# Altium PCB Mirny.PcbDoc (part 4 of 8) (continued)
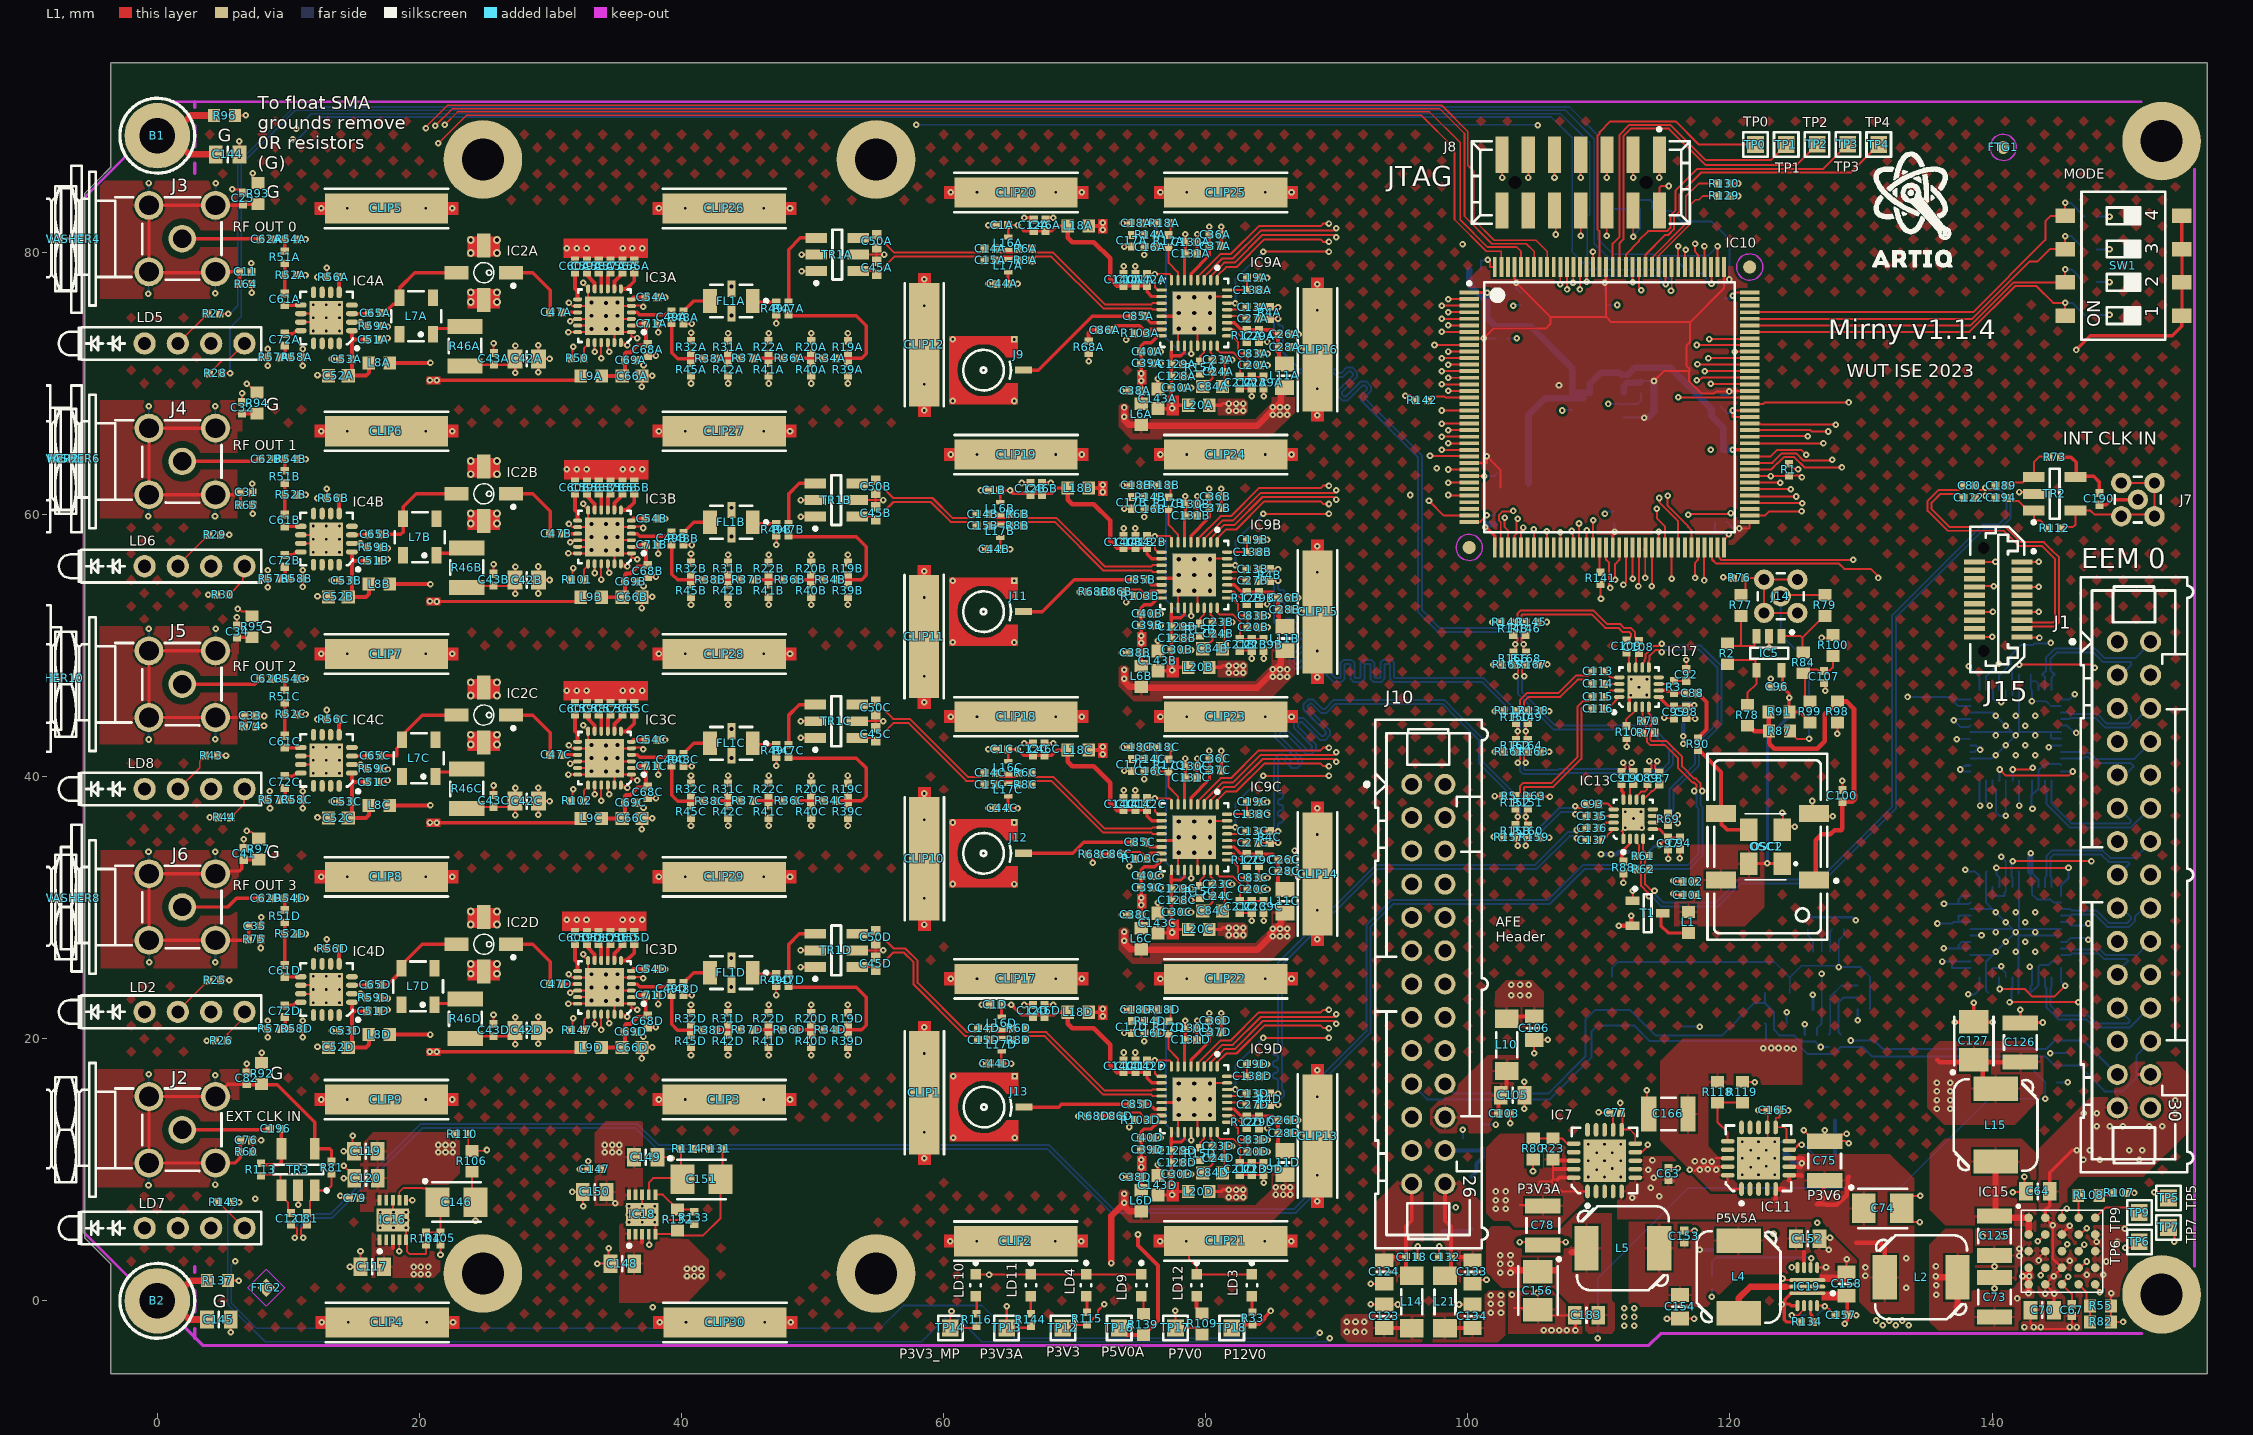
[diagram p0: L1 view]
## Nets (pads, with @x,y where several pads share a name; then routed paths per layer and width w, separated by ;. In a path a pad name is that pad's centre, name@x,y a point inside that pad or via, vN(x,y) a via of type N, cw(c..) or ccw(c..) an arc to the next point about the centre after c; other vN are vias at no path point) (continued)
C78.1@105.723,4.249 105.958,4.484 v1(107.475,4.484) ; v1(104.317,14.662) C105.1@104.317,15.689 v1(104.317,16.715) ; v1(104.611,85.711) J8.11@104.611,87.449 ; C156.2@104.744,-1.112 C156.2@105.294,-0.562 ; v1(104.972,9.897) 104.972,10.765 R80.1@104.994,10.786 ; v1(105.059,18.884) C106.1@105.059,19.91 v1(106.085,19.91) ; R145.1@105.35,51.814 v1@105.992,51.814 ; R167.1@105.413,48.576 v1@106.055,48.576 ; R159.1@105.54,35.368 v1@106.182,35.368 ; R163.1@105.54,41.908 v1@106.182,41.908 ; R138.1@105.54,45.02 v1@106.182,45.02 ; R63.1@105.604,38.479 v1@106.246,38.479 ; v1(106.611,85.711) J8.9@106.611,87.449 ; IC10.47@107.054,57.484 v1(107.054,58.635) ; C183.1@108.144,-1.112 105.844,-1.112 C156.2@105.294,-0.562 ; v1(108.611,85.711) J8.7@108.611,87.449 ; v1(109.973,14.397) 110.033,14.336 C77.1@110.794,14.336 111.081,14.05 IC7.12@111.081,13.045 ; R141.1@110.127,54.662 110.127,53.602 v1(110.16,53.569) ; v1(110.611,85.711) J8.5@110.611,87.449 ; v1(111.404,75.984) v1@111.454,75.934 ; IC13.1@111.872,35.244 111.844,35.272 111.844,35.748 111.735,35.857 IC13.17@112.622,36.744 ; IC17.17@112.43,46.197 v1(113.059,46.825) ; IC17.17@112.468,47.416 v1(113.059,46.825) ; IC10.123@112.554,78.884 112.572,78.866 112.572,77.75 v1(112.59,77.733) ; v1(112.611,85.711) J8.3@112.611,87.449 ; v1(113.655,46.229) v1(113.059,46.825) ; C166.1@113.664,14.397 113.664,15.808 v1(113.664,16.08) ; v1@113.664,16.046 v1@113.803,15.906 ; v1(113.668,47.435) v1(113.059,46.825) ; IC10.62@114.554,57.484 v1(114.554,58.671) ; v1(114.611,85.711) J8.1@114.611,87.449 ; v1(114.986,44.488) 115.022,44.452 C95.1@115.726,44.452 ; v1(115.196,-1.357) C154.1@116.19,-1.357 v1(117.26,-1.357) ; v1(115.281,33.741) C97.1@115.281,34.434 ; C63.2@115.304,10.38 115.554,10.13 v1(116.032,10.13) ; v1(115.67,31.073) 115.78,30.963 C101.1@116.378,30.963 ; v1(115.687,32.045) 115.754,31.979 C102.1@116.378,31.979 ; v1(116.174,33.766) C94.1@116.174,34.459 ; C153.1@116.517,5.361 116.536,5.342 v1(117.294,5.342) ; C98.1@116.666,44.457 116.698,44.425 v1(117.336,44.425) ; C92.1@116.666,48.215 v1(116.666,48.908) ; v1(119.495,55.22) 119.558,55.156 R76.2@120.231,55.156 ; IC10.72@119.554,57.484 119.554,58.084 119.915,58.444 v1(119.915,58.481) ; R129.1@120.088,84.303 R129.1@120.024,84.303 ; R129.1@120.088,84.366 R129.1@120.024,84.303 ; v1(120.204,76.684) 120.454,76.934 IC10.108@121.504,76.934 ; v1(120.353,72.434) IC10.99@121.504,72.434 ; v1(120.646,84.303) R129.1@120.024,84.303 ; R119.1@120.955,16.713 121.855,16.713 v1(121.905,16.663) ; IC10.89@121.504,67.434 120.204,67.434 v1(120.204,67.934) IC10.90@121.504,67.934 ; v1(122.159,14.541) C165.1@122.884,14.541 122.884,11.584 v1(122.781,11.48) v1(122.181,10.88) ; IC5.2@122.985,50.711 122.985,49.825 v1(122.987,49.822) ; C96.1@123.109,46.838 123.109,47.467 v1(123.114,47.473) ; v1(124.003,37.249) 124.029,37.223 124.029,36.217 124.908,36.217 v1(124.956,36.17) ; v1(124.009,1.703) 124.135,1.577 IC19.3@125.902,1.577 128.119,1.577 128.272,1.731 128.272,1.737 128.721,2.186 C158.1@128.896,2.186 128.896,3.168 v1(128.903,3.176) ; v1(125.639,13.025) 126.489,12.175 C75.1@127.222,12.175 ; v1(126.289,38.138) 126.289,37.147 126.245,37.103 126.416,36.932 126.457,36.973 127.832,36.973 127.837,36.968 v1(127.847,36.968) ; IC19.11@126.652,-0.373 v1@127.222,-0.373 ; IC19.4@126.652,2.527 127.304,2.527 v1@127.262,2.569 ; v1(126.988,50.584) 127.724,50.584 127.851,50.457 R100.1@127.877,50.482 ; C107.1@127.178,47.15 127.281,47.046 v1(127.281,46.561) ; v1(127.222,13.025) C75.1@127.222,12.175 ; v1@127.269,-0.381 127.531,-0.643 127.607,-0.643 C157.1@128.058,-1.095 ; v1(127.533,3.891) 127.509,3.891 126.83,4.57 C152.1@126.83,4.745 126.896,4.811 v1(127.634,4.811) ; C75.1@127.93,12.671 128.203,12.398 127.763,12.587 127.634,12.587 C75.1@127.322,12.275 ; v1(128.194,43.282) R98.1@128.194,44.462 ; C75.1@128.214,12.393 128.404,12.203 128.793,12.203 128.983,12.013 v1(129.056,12.013) ; C75.1@128.414,12.275 C75.1@128.097,12.275 ; C100.1@128.573,38.975 v1(128.573,39.668) ; v1(128.896,12.757) 128.835,12.697 128.585,12.697 128.562,12.674 128.496,12.674 C75.1@128.097,12.275 ; v1(134.474,6.01) 133.791,6.01 133.621,6.18 133.621,6.52 133.451,6.689 133.451,6.702 C74.2@133.105,7.047 133.105,7.183 133.929,8.007 v1(134.515,8.007) ; J15.20@138.669,50.656 138.674,50.661 139.997,50.661 v1(140.003,50.667) ; J15.14@138.669,52.561 140.06,52.561 v1(140.068,52.57) ; J15.8@138.669,54.466 138.741,54.538 v1(140.132,54.538) ; J15.2@138.669,56.371 138.678,56.38 v1(140.259,56.38) ; v1(140.186,0.937) C73.1@140.186,1.777 v1(140.186,2.617) C125.1@140.186,3.456 ; v1(141.584,8.291) 142.538,8.291 C64.1@142.594,8.347 142.42,8.522 142.473,8.574 v1(142.473,9.461) ; v1(142.082,61.713) 143.041,61.713 TR2.2@143.194,61.559 ; J15.19@142.269,50.656 142.294,50.631 143.591,50.631 v1(143.617,50.605) ; J15.13@142.269,52.561 143.552,52.561 v1(143.561,52.57) ; J15.7@142.269,54.466 143.552,54.466 v1(143.561,54.475) ; J15.1@142.269,56.371 143.552,56.371 v1(143.561,56.38) ; C70.1@142.934,-0.709 142.934,-1.712 143.36,-2.139 145.779,-2.139 v1(145.916,-2.001) 146.084,-1.834 C67.1@146.084,-1.159 ; v1(143.553,3.079) 143.553,3.28 IC15.C2@144.064,3.791 ; v1(149.086,0.584) 149.081,0.58 R55.2@149.081,-0.392 R82.2@149.081,-1.613 v1(149.994,-1.613) ; v1@31.346,23.543 31.446,23.643 32.046,23.643 IC3D.16@32.071,23.668 IC3D.25@33.871,23.668 ; v1@31.348,41.031 31.448,41.131 32.048,41.131 IC3C.16@32.073,41.156 IC3C.25@33.873,41.156 ; v1@31.348,74.789 31.448,74.889 32.048,74.889 IC3A.16@32.073,74.914 IC3A.25@33.873,74.914 ; IC3B.25@32.873,57.035 v2(33.123,57.285) IC3B.25@33.373,57.535 ; IC3B.25@33.273,58.035 IC3B.25@33.873,58.035 ; IC3D.25@33.371,23.168 IC3D.25@33.871,23.668 ; IC3C.25@33.373,40.656 IC3C.25@33.873,41.156 ; IC3B.25@33.373,57.535 IC3B.25@33.873,58.035 ; IC3A.25@33.373,74.414 IC3A.25@33.873,74.914 ; IC3D.25@33.871,23.668 34.096,23.893 IC3D.25@34.146,23.893 ; IC3C.25@33.873,41.156 34.098,41.38 IC3C.25@34.148,41.38 ; IC3B.25@33.873,58.035 34.098,58.259 IC3B.25@34.148,58.259 ; IC3A.25@33.873,74.914 34.098,75.139 IC3A.25@34.148,75.139 ; IC3D.25@34.146,23.893 v2(34.221,23.893) ; IC3C.25@34.148,41.38 v2(34.223,41.38) ; IC3B.25@34.148,58.259 v2(34.223,58.259) ; IC3A.25@34.148,75.139 v2(34.223,75.139) ; C75.1@127.222,12.175 127.997,12.175 C75.1@128.097,12.275 ; C75.1@127.222,12.175 C75.1@127.322,12.275 ; C75.1@127.322,12.275 C75.1@128.097,12.275
  L1 w0.17: v1(29.078,19.603) C42D.1@29.078,20.634 v1(29.078,21.665) ; v1(29.08,37.09) C42C.1@29.08,38.122 v1(29.08,39.153) ; v1(29.08,53.969) C42B.1@29.08,55.001 v1(29.08,56.032) ; v1(29.08,70.849) C42A.1@29.08,71.88 v1(29.08,72.911)
  L1 w0.211: v1(108.21,-2.257) C183.1@108.21,-1.129
  L1 w0.25: v1(65.968,62.404) C12B.1@66.619,62.404 ; v1(66.159,22.57) C12D.1@66.81,22.57 ; v1(66.159,42.529) C12C.1@66.81,42.529 ; v1(66.159,82.652) C12A.1@66.81,82.652 ; C46B.1@67.516,62.404 v1(68.167,62.404) ; C46D.1@67.707,22.57 v1(68.358,22.57) ; C46C.1@67.707,42.529 v1(68.358,42.529) ; C46A.1@67.707,82.652 v1(68.358,82.652) ; C143D.1@76.352,9.575 v1(76.352,10.367) ; C143C.1@76.352,29.575 v1(76.352,30.367) ; C143B.1@76.352,49.575 v1(76.352,50.367) ; C143A.1@76.352,69.575 v1(76.352,70.367) ; IC9D.13@76.63,15.128 78.88,15.128 v3(79.13,15.378) ; IC9C.13@76.63,35.128 78.88,35.128 v3(79.13,35.378) ; IC9B.13@76.63,55.128 78.88,55.128 v3(79.13,55.378) ; IC9A.13@76.63,75.128 78.88,75.128 v3(79.13,75.378) ; C131D.1@79.339,19.909 C130D.1@79.339,20.783 v1(79.339,21.378) ; C131C.1@79.339,39.909 C130C.1@79.339,40.783 v1(79.339,41.378) ; C131B.1@79.339,59.909 C130B.1@79.339,60.783 v1(79.339,61.378) ; C131A.1@79.339,79.909 C130A.1@79.339,80.783 v1(79.339,81.378) ; C37D.1@81.181,20.486 C36D.1@81.181,21.36 v1(81.181,21.955) ; C37C.1@81.181,40.486 C36C.1@81.181,41.36 v1(81.181,41.955) ; C37B.1@81.181,60.486 C36B.1@81.181,61.36 v1(81.181,61.955) ; C37A.1@81.181,80.486 C36A.1@81.181,81.36 v1(81.181,81.955) ; C26D.1@86.442,13.775 C26D.1@86.443,13.776 ; C26A.1@86.476,73.735 C26A.1@86.477,73.736 ; IC17.1@112.309,45.325 112.309,46.075 IC17.17@112.43,46.197 ; v1(137.148,21.258) 138.581,21.258 C127.2@138.608,21.285 v1(138.608,22.733) ; C127.2@138.635,21.258 v1(140.069,21.258) ; v1(142.164,22.2) C126.1@142.164,21.21 142.188,21.234 v1(143.879,21.234) ; R107.2@150.19,8.23 v1(150.857,8.23) ; C26B.1@86.427,53.638 C26B.1@86.428,53.639
  L6 w0.152: C111.1@98.068,7.124 v1(99.084,7.124) ; C110.1@99.613,12.369 v1(99.613,13.056) v1@99.613,13.24 ; C201.1@101.004,78.684 101.004,79.384 101.454,79.384 v1(101.504,79.434) ; C112.1@101.116,13.449 v1(102.132,13.449) ; v1(101.255,62.934) 102.004,62.934 C187.1@102.054,62.984 C187.1@102.232,63.162 ; v1(101.454,59.934) 101.954,59.934 102.054,60.034 C199.1@102.054,60.134 ; C193.1@103.021,73.443 v1(103.721,73.443) ; v1(103.454,75.934) 103.504,75.984 C192.1@104.054,75.984 ; v1(107.204,67.934) 107.254,67.984 C198.1@107.954,67.984 ; v1(110.461,60.069) 110.62,60.228 C104.1@111.13,60.228 ; C188.1@110.554,75.984 v1(111.404,75.984) ; v1(110.704,68.434) 111.797,68.434 IC14.2@111.894,68.336 111.991,68.434 112.954,68.434 113.204,68.684 C197.1@113.204,69.234 ; IC20.4@116.399,20.923 v1(117.684,20.923) ; v1(118.533,64.934) C200.1@118.604,64.934 ; v1(118.625,0.323) R136.1@118.625,0.945 ; C185.1@118.854,59.434 118.854,58.784 119.03,58.608 119.356,58.608 119.465,58.499 119.896,58.499 v1(119.915,58.481) ; C186.1@119.304,68.234 119.755,67.782 119.755,67.735 120.005,67.735 v1(120.204,67.934) ; C184.1@119.554,76.484 120.064,76.484 120.204,76.624 v1(120.204,76.684) ; v1(123.431,12.13) 124.141,12.13 C160.2@124.223,12.049 ; v1(124.321,22.009) 124.321,21.228 D1.1@124.372,21.177 ; C155.2@126.665,-1.073 127.222,-0.516 v1(127.222,-0.428) ; IC6.27@138.344,26.388 IC6.49@140.044,26.388 ; IC6.31@138.344,28.388 IC6.49@141.544,28.388 ; IC6.34@138.344,29.888 IC6.49@140.044,29.888 ; IC1.27@138.344,41.388 140.044,41.388 v1(140.294,41.638) v1(141.044,42.388) v1(141.794,43.138) ; IC1.31@138.344,43.388 IC1.49@141.544,43.388 ; IC1.34@138.344,44.888 140.044,44.888 v1(140.294,44.638) v1(141.044,43.888) IC1.49@141.544,43.388 ; IC1.23@139.544,39.688 139.544,38.081 v1(139.834,37.791) ; IC1.38@139.544,46.588 139.544,47.663 140.478,48.598 v1(140.503,48.598) ; C6.1@139.594,32.763 139.544,32.713 IC6.38@139.544,31.588 139.544,30.388 IC6.49@140.044,29.888 ; C7.1@139.694,23.513 139.544,23.663 IC6.23@139.544,24.688 139.544,25.888 IC6.49@140.044,26.388 ; C8.1@142.019,23.463 142.019,27.913 142.044,27.888 IC6.7@145.244,27.888 ; C3.1@142.019,32.763 142.044,32.738 IC6.43@142.044,31.588 IC6.49@142.044,28.388 ; IC1.18@142.044,39.688 142.044,37.831 v1(142.084,37.791) ; C4.1@142.044,47.788 IC1.43@142.044,46.588 IC1.49@142.044,43.388 ; v1(144.45,18.898) 145.828,18.898 IC8.2@145.844,18.913 ; 144.514,43.363 144.514,42.956 144.582,42.888 IC1.7@145.244,42.888 ; C10.1@144.951,16.675 v1(145.776,16.675) ; IC6.6@145.244,28.388 IC6.49@142.044,28.388 ; IC1.6@145.244,43.388 IC1.49@142.044,43.388 ; R111.2@147.994,75.235 v1(148.96,75.235) ; R83.2@147.994,77.735 v1(148.96,77.735) ; R85.2@147.994,80.235 v1(148.96,80.235) ; R86.2@147.994,82.735 v1(148.96,82.735) ; IC6.49@140.044,26.388 v1(140.294,26.638) v1(141.044,27.388) v1(141.794,28.138) ; IC6.49@140.044,29.888 v1(140.294,29.638) v1(141.044,28.888) IC6.49@141.544,28.388 ; IC6.49@141.544,28.388 v1(141.794,28.138) ; IC1.49@141.544,43.388 v1(141.794,43.138) ; v1(141.794,28.138) IC6.49@142.044,28.388 ; v1(141.794,43.138) IC1.49@142.044,43.388
  L6 w0.2: R126.1@125.93,29.276 125.95,29.256 C48.1@128.718,29.256 129.372,29.256 v1(129.594,29.034)
  L6 w0.25: IC12.4@126.342,22.242 v1@126.342,23.347
  other v1: 105.794,-2.239 106.381,-2.239 106.969,-2.239 107.556,-2.239 142.473,-2.001 143.188,-2.003 143.723,-2.001 146.473,-2.001 12.561,-1.641 14.561,-1.641 20.56,-1.641 22.561,-1.641 38.342,-1.641 40.342,-1.641 46.341,-1.641 48.342,-1.641 103.366,0.462 105.294,0.624 63.465,1.985 147.223,1.999 148.473,1.999 127.329,2.552 148.709,2.999 142.094,3.429 142.094,3.963 149.561,4.492 147.973,4.499 60.513,4.558 62.513,4.558 68.513,4.558 70.513,4.558 76.513,4.558 78.513,4.558 84.513,4.558 86.513,4.558 139.275,4.928 140.772,4.943 123.323,5.125 150.113,5.497 17.006,5.561 18.022,5.561 18.974,5.561 35.992,6.006 37.008,6.006 37.961,6.007 17.006,6.133 18.022,6.133 18.974,6.133 35.992,6.577 37.961,6.577 17.006,6.768 18.022,6.768 18.974,6.768 35.992,7.212 37.008,7.212 37.961,7.212 88.519,7.582 7.481,7.785 -0.673,8.813 4.422,8.87 109.181,9.445 110.431,9.445 111.681,9.445 88.519,9.582 120.931,9.63 122.181,9.63 123.431,9.63 109.831,9.995 111.031,10.095 121.581,10.18 122.781,10.28 109.181,10.695 110.431,10.695 111.681,10.695 58.535,10.866 120.931,10.88 123.431,10.88 109.831,11.295 111.031,11.295 121.581,11.48 109.181,11.945 110.431,11.945 111.681,11.945 120.931,12.13 122.181,12.13 60.73,12.437 65.425,12.434 58.535,12.866 12.497,15.359 14.497,15.359 20.497,15.359 22.497,15.359 38.278,15.359 40.278,15.359 46.278,15.359 48.278,15.359 88.519,15.582 60.733,17.132 65.427,17.129 4.418,17.199 -0.65,17.277 88.519,17.582 58.535,18.866 58.535,20.866 17.571,22.218 11.9,22.754 12.9,22.754 13.9,22.754 126.329,23.359 11.9,23.754 13.9,23.754 60.543,24.576 62.543,24.576 68.543,24.576 70.543,24.576 76.543,24.576 78.543,24.576 84.543,24.576 86.543,24.576 11.9,24.754 12.9,24.754 13.9,24.754 -0.626,25.834 4.435,25.846 141.794,26.638 143.294,26.638 142.544,27.388 88.519,27.582 140.294,28.138 143.294,28.138 58.535,28.71 142.544,28.888 31.25,29.078 32,29.078 32.75,29.078 35.5,29.078 36.236,29.076 37,29.078 141.794,29.638 143.294,29.638 88.519,29.8 58.535,30.71 65.386,31.8 60.691,31.803 12.497,32.359 14.497,32.359 20.497,32.359 22.497,32.359 38.278,32.359 40.278,32.359 46.278,32.359 48.278,32.359 -0.671,34.272 4.418,34.276 106.202,35.348 101.989,35.404 88.519,35.582 112.002,36.105 113.272,36.105 60.694,36.498 65.388,36.495 58.535,36.709 112.637,36.803 112.002,37.311 113.208,37.311 88.519,37.582 106.266,38.46 102.053,38.515 58.535,38.71 17.573,39.706 11.902,40.241 12.902,40.241 13.902,40.241 11.902,41.241 13.902,41.241 141.794,41.638 143.294,41.638 102.053,41.881 106.202,41.889 11.902,42.241 12.902,42.241 13.902,42.241 142.544,42.388 -0.653,42.831 4.43,42.858 140.294,43.138 143.294,43.138 142.544,43.888 60.543,44.576 62.543,44.576 68.543,44.576 70.543,44.576 76.543,44.576 78.543,44.576 84.543,44.576 86.543,44.576 141.794,44.638 143.294,44.638 102.053,44.992 106.202,45 58.521,45.664 112.424,46.203 31.252,46.566 32.002,46.566 32.752,46.566 35.502,46.566 36.238,46.563 37.002,46.566 112.475,47.423 88.519,47.582 58.521,47.664 101.926,48.548 106.075,48.556 12.497,49.359 14.497,49.359 20.497,49.359 22.497,49.359 38.278,49.359 40.278,49.359 46.278,49.359 48.278,49.359 88.519,49.582 60.692,50.237 65.387,50.234 -0.641,51.273 4.465,51.273 106.012,51.795 58.521,53.664 60.695,54.932 65.389,54.929 88.519,55.582 58.521,55.664 17.573,56.585 11.902,57.12 12.902,57.12 13.902,57.12 88.519,57.582 47.22,57.697 11.902,58.12 13.902,58.12 11.902,59.12 12.902,59.12 13.902,59.12 -0.695,59.854 4.403,59.852 95.617,61.487 31.252,63.445 32.002,63.445 32.752,63.445 35.502,63.445 36.238,63.442 37.002,63.445 97.633,63.542 60.543,64.576 62.543,64.576 68.543,64.576 70.543,64.576 76.543,64.576 78.543,64.576 84.543,64.576 86.543,64.576 12.497,66.359 14.497,66.359 20.497,66.359 22.497,66.359 38.278,66.359 40.278,66.359 46.278,66.359 48.278,66.359 88.519,67.582 58.528,67.938 -0.651,68.27 4.429,68.27 60.691,68.664 65.386,68.661 88.519,69.582 58.528,69.938 60.694,73.359 65.388,73.356 17.573,73.464 11.902,74 12.902,74 13.902,74 11.902,75 13.902,75 88.519,75.582 58.528,75.938 11.902,76 12.902,76 13.902,76 -0.678,76.832 4.407,76.882 88.519,77.582 58.528,77.938 31.252,80.324 32.002,80.324 32.752,80.324 35.502,80.324 36.238,80.322 37.002,80.324 99.596,80.612 12.497,83.359 14.497,83.359 20.497,83.359 22.497,83.359 38.278,83.359 40.278,83.359 46.278,83.359 48.278,83.359 60.543,84.576 62.543,84.576 68.543,84.576 70.543,84.576 76.543,84.576 78.543,84.576 84.543,84.576 86.543,84.576 4.455,85.262 -0.664,85.289
  other v2: 34.221,22.893 35.103,22.962 33.121,23.918 35.121,23.918 43.796,23.938 34.221,24.893 35.121,24.918 23.915,24.957 25.915,24.957 23.915,25.707 25.915,25.707 43.796,26.148 23.915,28.707 25.915,28.707 23.915,29.707 25.915,29.707 34.223,40.38 35.123,40.406 33.123,41.406 35.123,41.406 43.798,41.426 34.223,42.38 35.123,42.406 23.917,42.445 25.917,42.445 23.917,43.195 25.917,43.195 43.798,43.636 23.917,46.195 25.917,46.195 23.917,47.195 25.917,47.195 34.223,57.259 35.123,57.285 33.123,58.285 35.123,58.285 43.798,58.305 34.223,59.259 35.123,59.285 23.917,59.324 25.917,59.324 23.917,60.074 25.917,60.074 43.798,60.515 23.917,63.074 25.917,63.074 23.917,64.074 25.917,64.074 34.223,74.139 35.123,74.164 33.123,75.164 35.123,75.164 43.798,75.184 34.223,76.139 35.123,76.164 23.917,76.203 25.917,76.203 23.917,76.953 25.917,76.953 43.798,77.394 23.917,79.953 25.917,79.953 23.917,80.953 25.917,80.953
  other v3: 79.13,14.178 80.33,14.178 77.93,15.378 80.33,15.378 77.93,16.578 79.13,16.578 79.13,34.178 80.33,34.178 77.93,35.378 80.33,35.378 77.93,36.578 79.13,36.578 79.13,54.178 80.33,54.178 77.93,55.378 80.33,55.378 77.93,56.578 79.13,56.578 79.13,74.178 80.33,74.178 77.93,75.378 80.33,75.378 77.93,76.578 79.13,76.578
HWrev__0: IC10.119 R129.2 | length 8.1
  L1 w0.127: IC10.119@114.554,78.884 114.554,79.737 117.054,82.237 117.054,83.704 117.354,84.003 117.624,84.003 117.923,84.303 R129.2@119.084,84.303
HWrev__1: IC10.120 R130.1 | length 9.3
  L1 w0.127: IC10.120@114.054,78.884 114.054,79.596 116.637,82.179 116.637,84.274 117.618,85.255 R130.1@119.088,85.255
HWrev__2: IC10.53 R141.2 | length 1.7
  L1 w0.152: R141.2@110.033,55.791 110.054,55.812 IC10.53@110.054,57.484
HWrev__3: IC10.17 R142.2 | length 3.1
  L1 w0.152: R142.2@97.143,68.809 97.346,69.012 98.211,69.012 98.289,68.934 IC10.17@100.104,68.934
I2C_SCL: D1.3 IC8.1 IC20.6 J1.27 J10.20 R125.1 | length 63.1
  L3 w0.152: v1(126.924,19.367) 128.726,19.367 v1(129.223,19.863)
  L6 w0.152: J10.20@98.259,16.549 98.994,15.815 106.145,15.815 108.973,18.642 108.973,21.457 109.708,22.193 IC20.6@110.999,22.193 112.367,22.193 114.329,20.231 119.368,20.231 121.869,22.733 122.672,22.733 ; D1.3@122.672,23.477 122.672,22.705 123.368,22.009 123.368,20.676 123.813,20.231 124.896,20.231 125.345,19.782 126.509,19.782 v1(126.924,19.367) R125.1@127.544,19.367 ; v1(129.223,19.863) 131.026,19.863 131.674,19.215 144.127,19.215 144.775,19.863 IC8.1@145.844,19.863 146.962,19.863 J1.27@149.558,17.267
I2C_SDA: D1.2 IC8.3 IC20.5 J1.26 J10.19 R124.1 | length 66.8
  L6 w0.152: J10.19@95.719,16.549 96.89,15.378 106.26,15.378 109.43,18.548 109.43,20.539 109.906,21.016 112.677,21.016 113.881,19.812 124.921,19.812 125.229,19.503 125.248,19.503 125.933,18.818 127.912,18.818 R124.1@128.461,19.367 130.131,19.367 130.872,18.627 144.08,18.627 144.743,17.963 IC8.3@145.844,17.963 146.603,17.963 148.583,15.984 149.958,15.984 151.007,17.033 151.007,18.715 J1.26@152.098,19.807 ; D1.2@122.672,21.177 122.733,21.116 122.733,19.85
IFC_MODE_SEL0: IC10.102 R111.1 SW1.8 | length 28.9
  L1 w0.152: IC10.102@121.504,73.934 138.261,73.934 141.762,77.434 143.381,77.434 144.66,76.155 v1(145.574,76.155) SW1.8@145.574,75.173
  L6 w0.152: v1(145.574,76.155) 146.132,76.155 R111.1@147.054,75.233
IFC_MODE_SEL1: IC10.103 R83.1 SW1.7 | length 28.3
  L1 w0.152: IC10.103@121.504,74.434 138.366,74.434 141.646,77.713 SW1.7@145.574,77.713 v1(145.574,78.695)
  L6 w0.152: v1(145.574,78.695) 146.092,78.695 R83.1@147.054,77.733
IFC_MODE_SEL2: IC10.104 R85.1 SW1.6 | length 29.2
  L1 w0.152: IC10.104@121.504,74.934 138.472,74.934 142.837,79.299 143.454,79.299 144.408,80.253 SW1.6@145.574,80.253 v1(145.574,81.235)
  L6 w0.152: v1(145.574,81.235) 146.052,81.235 R85.1@147.054,80.233
IFC_MODE_SEL3: IC10.105 R86.1 SW1.5 | length 30.8
  L1 w0.152: IC10.105@121.504,75.434 138.549,75.434 144.069,80.954 144.069,82.376 144.487,82.793 SW1.5@145.574,82.793 v1(145.574,83.775)
  L6 w0.152: v1(145.574,83.775) 146.012,83.775 R86.1@147.054,82.733
IN_SEL0: IC10.54 R88.1 | length 26.8
  L1 w0.152: IC10.54@110.554,57.484 110.554,56.534 110.786,56.301 110.786,54.466 v1(110.859,54.394) ; v1(111.872,31.891) R88.1@111.872,32.584
  L3 w0.152: v1(110.859,54.394) 110.859,35.409 111.872,34.396 v1(111.872,31.891)
IN_SEL1: IC10.56 R10.1 T1.1 | length 29.9
  L1 w0.152: v1(111.24,55.029) 111.24,56.219 111.554,56.534 IC10.56@111.554,57.484 ; R10.1@112.027,42.837 R10.1@112.106,42.917 112.129,42.894 v1(112.129,42.266) ; T1.1@112.529,30.643 112.593,30.707 v1(112.593,31.278) ; T1.1@112.561,30.521 T1.1@112.566,30.516
  L3 w0.152: v1(111.24,55.029) 111.312,54.957 111.312,54.57 111.646,54.235 111.646,42.806 112.129,42.324 v1(112.129,42.266) 112.132,42.266 113.145,41.253 113.145,40.649 111.303,38.808 111.303,35.713 112.593,34.423 v1@112.593,31.3 ; v1@112.573,31.28 v1@112.593,31.3 ; v1(112.593,31.278) v1@112.593,31.3
LED0: IC10.110 R27.1 | length 138.5
  L1 w0.127: R27.1@4.777,75.325 v1(5.421,75.325)
  L1 w0.152: IC10.110@119.054,78.884 v1(119.054,80.479)
  L6 w0.127: v1@5.447,75.216 6.147,75.916 6.147,86.821 10.423,91.097 107.756,91.097 109.906,88.947 109.906,81.027 111.063,79.869 114.229,79.869 114.351,79.748 118.323,79.748 v1(119.054,80.479)
LED1: IC10.111 R28.1 | length 142.3
  L1 w0.127: R28.1@4.904,70.764 v1(5.548,70.764) ; IC10.111@118.554,78.884 118.592,78.846 v1(118.592,77.598)
  L6 w0.127: v1(5.548,70.764) 5.548,74.249 6.401,75.102 6.401,86.716 10.529,90.843 107.446,90.843 109.652,88.637 109.652,80.669 110.884,79.436 115.885,79.436 116.637,78.684 117.507,78.684 v1(118.592,77.598)
LED2: IC10.112 R29.1 | length 150.6
  L1 w0.127: R29.1@4.843,58.445 v1(5.487,58.445)
  L1 w0.152: IC10.112@118.054,78.884 v1(118.054,80.479)
  L3 w0.127: v1@5.447,58.456 5.487,58.496 5.487,59.497 7.711,61.721 7.711,70.958 7.711,73.16 7.711,88.534 10.403,91.226 102.946,91.226 107.204,86.968 107.204,85.457 107.889,84.772 109.454,84.772 109.554,84.673 112.137,84.673
  L3 w0.152: 112.137,84.673 113.326,84.673 116.05,81.949 117.521,81.949 118.054,81.416 v1(118.054,80.479)
LED3: IC10.113 R30.1 | length 154.6
  L1 w0.127: v1(3.893,53.885) R30.1@4.537,53.885
  L1 w0.152: v1(117.336,80.65) 117.336,80.052 117.554,79.834 IC10.113@117.554,78.884
  L3 w0.127: v1(3.893,53.885) 5.573,55.565 5.573,57.445 6.401,58.273 6.401,60.051 8.179,61.829 8.179,70.849 7.965,71.063 7.965,73.055 8.162,73.252 8.162,88.625 10.509,90.972 102.436,90.972 106.16,87.249 106.16,85.54 107.32,84.38 113.242,84.38 116.901,80.721 117.264,80.721 v1(117.336,80.65)
LED4: IC10.115 R43.1 | length 165.4
  L1 w0.127: R43.1@4.598,41.606 v1(5.242,41.606)
  L1 w0.152: IC10.115@116.554,78.884 116.554,79.834 116.57,79.85 116.57,80.122 v1(116.637,80.188)
  L3 w0.127: v1(5.242,41.606) 6.676,43.04 6.71,54.069 7.699,55.057 7.699,56.19 8.431,56.922 8.431,60.868 8.938,61.375 8.938,73.615 8.478,74.075 8.478,88.582 10.614,90.718 101.847,90.718 105.747,86.818 105.747,85.543 106.524,84.766 106.524,84.239 106.637,84.126 113.137,84.126 116.624,80.638 116.624,80.201 v1(116.637,80.188)
LED5: IC10.116 R44.1 | length 169.6
  L1 w0.127: v1(4.011,36.881) R44.1@4.655,36.881
  L1 w0.152: IC10.116@116.054,78.884 v1(116.054,80.479)
  L3 w0.127: v1(4.011,36.881) 5.428,38.298 5.428,39.402 7.002,40.976 7.002,54.001 7.965,54.964 7.965,55.983 8.685,56.703 8.685,60.763 9.192,61.27 9.192,73.72 8.883,74.03 8.883,88.627 9.287,89.032 10.719,90.464 101.742,90.464 105.334,86.872 105.334,84.995 107.106,83.223 113.68,83.223 115.983,80.921 115.983,80.55 v1(116.054,80.479)